# Altium PCB SkayboardOld.PcbDoc (part 1 of 2)
Units mil, origin at the board's own origin, x right, y up, seen from the top; angles counter-clockwise.
Board outline 13972.57 x 4222.54 mil, 2 copper layers (Top Layer, Bottom Layer); 143 components, 152 nets, 1126 pads, 207 vias.
Unrouted connection lines stored in the file: 1.
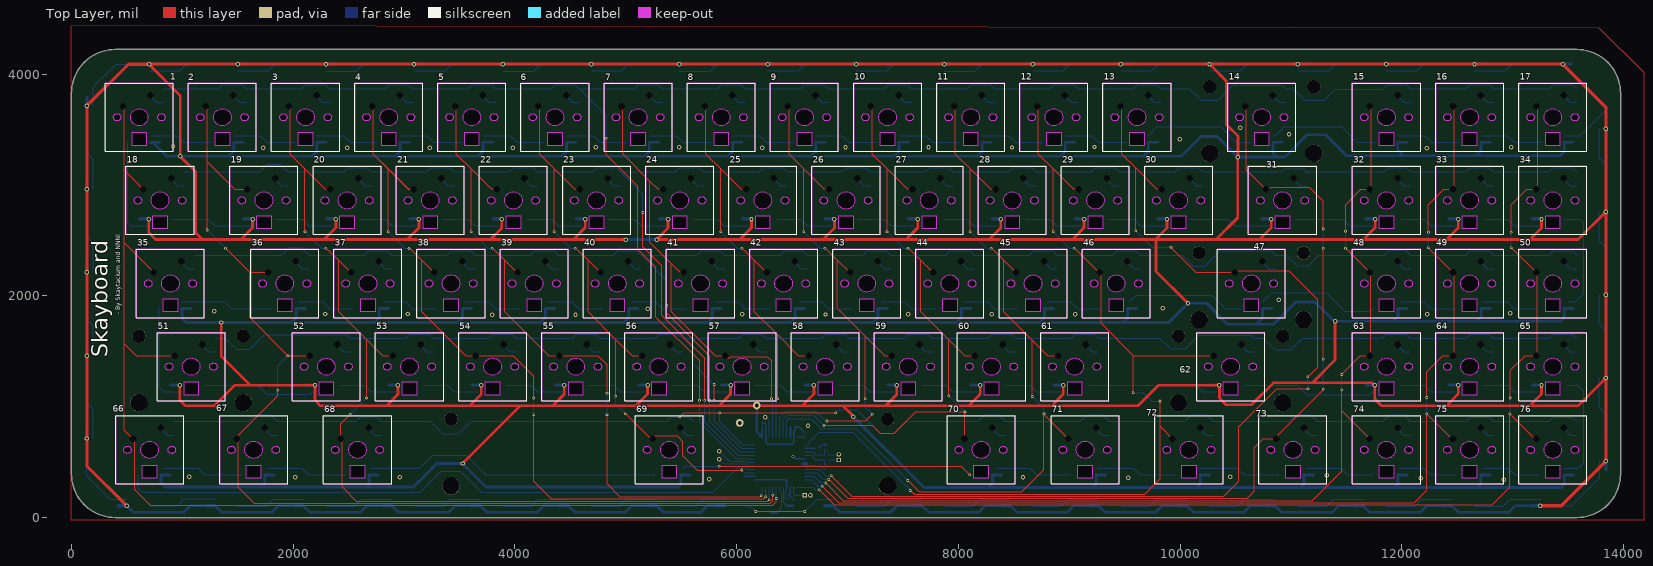
[diagram p0: Top Layer view]
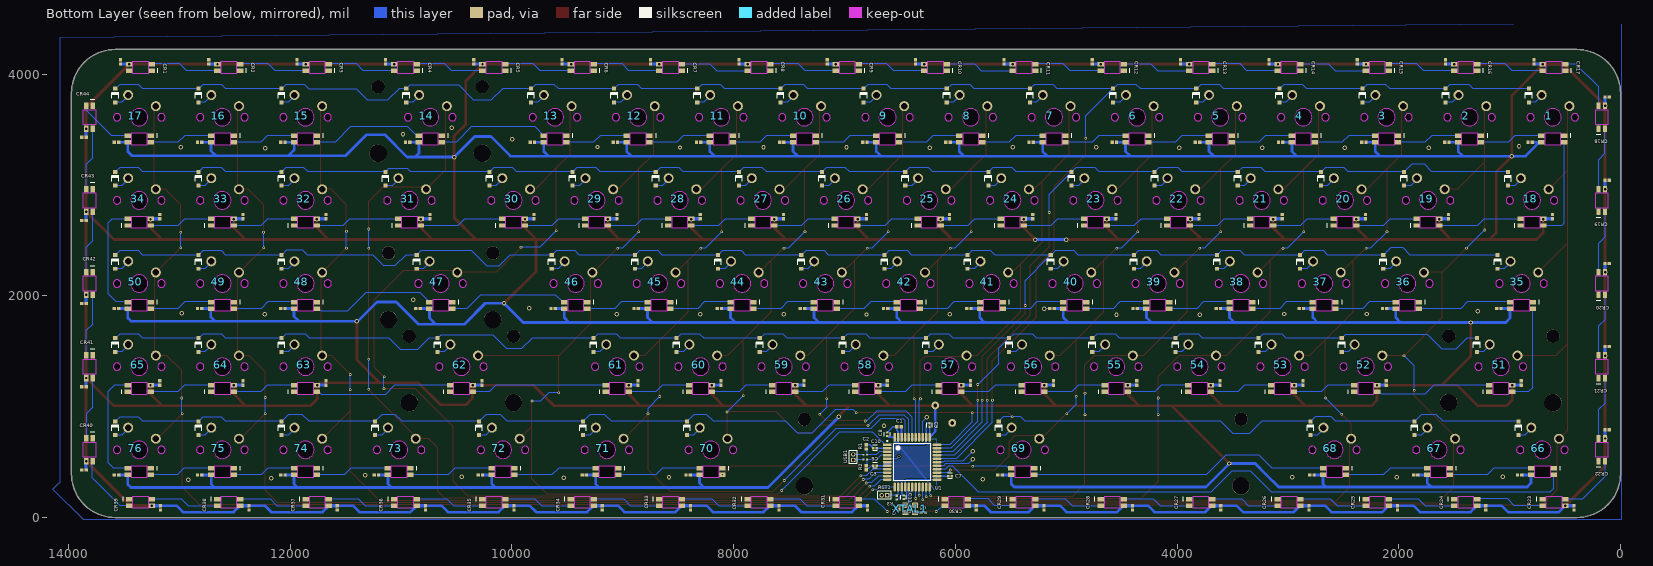
[diagram p1: Bottom Layer view, seen from below]
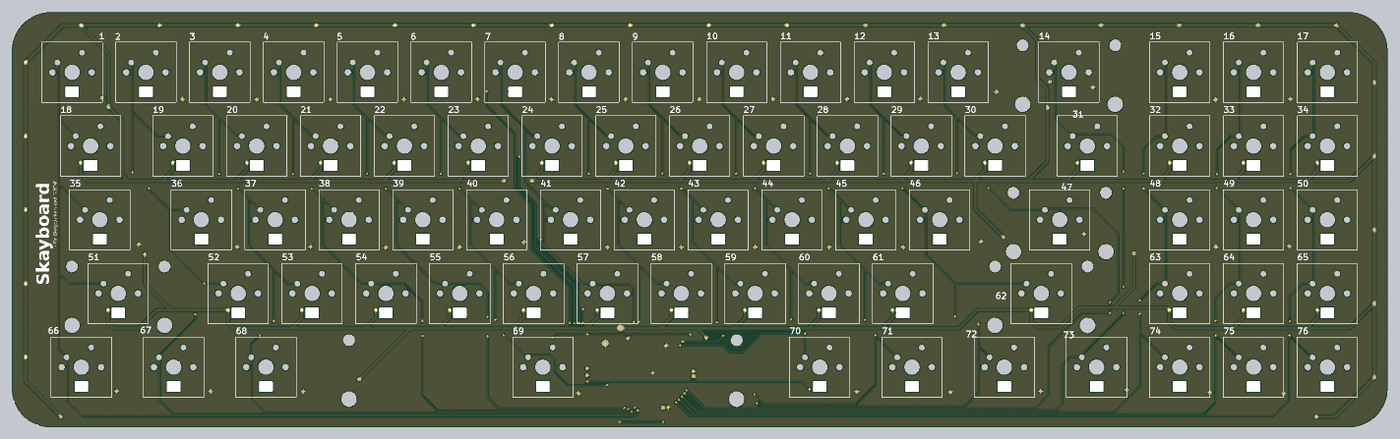
[diagram p3: 3D render of the assembled board from above, using the file's embedded part models]
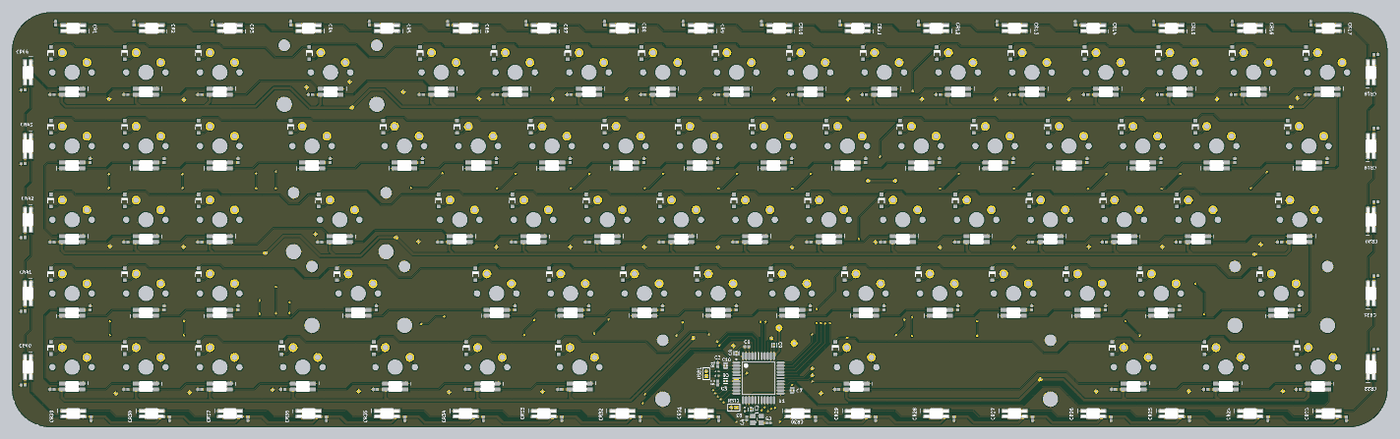
[diagram p4: 3D render of the assembled board from below, using the file's embedded part models]

## Layer stack, top to bottom
Top Solder: solder mask 0.4, Solder Resist, Dk 3.5
Top Layer: signal copper 1.4
Dielectric 1: dielectric 12.6, FR-4, Dk 4.8
Bottom Layer: signal copper 1.4
Bottom Solder: solder mask 0.4, Solder Resist, Dk 3.5

## Board outline
58.09,188.06 42.95,215.02 30.04,243.12 19.35,272.1 10.94,301.83 4.92,332.15 1.29,362.86 0.04,393.78 0.09,3828.78 1.29,3859.71 4.92,3890.42 10.94,3920.74 19.35,3950.47 30.04,3979.52 42.95,4007.55 58.09,4034.52 75.23,4060.23 94.38,4084.52 115.38,4107.2 138.06,4128.22 162.37,4147.36 188.08,4164.52 215.04,4179.64 243.09,4192.55 272.12,4203.26 301.85,4211.65 332.18,4217.67 362.89,4221.33 393.81,4222.55 13578.87,4222.51 13609.73,4221.33 13640.44,4217.67 13670.75,4211.65 13700.52,4203.26 13729.5,4192.55 13757.57,4179.64 13784.53,4164.52 13810.24,4147.36 13834.5,4128.22 13857.25,4107.2 13878.24,4084.52 13897.33,4060.23 13914.53,4034.52 13929.69,4007.55 13942.61,3979.52 13953.31,3950.47 13961.62,3920.74 13967.76,3890.42 13971.35,3859.71 13972.61,3828.78 13972.61,393.78 13971.35,362.86 13967.76,332.15 13961.62,301.83 13953.31,272.1 13942.61,243.12 13929.69,215.02 13914.53,188.06 13897.33,162.34 13878.24,138.09 13857.25,115.36 13834.5,94.36 13810.24,75.21 13784.53,58.06 13757.57,42.93 13729.5,30.02 13700.52,19.33 13670.75,10.92 13640.44,4.9 13609.73,1.26 13578.87,0.01 393.81,0.07 362.89,1.26 332.18,4.9 301.85,10.92 272.12,19.33 243.09,30.02 215.04,42.93 188.08,58.06 162.37,75.21 138.06,94.36 115.38,115.36 94.38,138.09 75.23,162.34

## Design rules (kind name [scope] priority, off if disabled: settings)
BoardOutlineClearance [All] p1: gap=10 ignorepadtopadclearanceinfootprint=FALSE except(-1: Arc-OutlineEdge; 0: Arc-SplitContinuation Track-SplitContinuation SMDPad-SplitContinuation THPad-SplitContinuation Via-SplitContinuation Fill-SplitContinuation Poly-SplitContinuation Region-SplitContinuation Text-SplitContinuation)
Clearance [All] p1: gap=10 ignorepadtopadclearanceinfootprint=FALSE except(0: Arc-Hole Track-Hole SMDPad-Hole THPad-Hole Via-Hole Fill-Hole Poly-Hole Region-Hole Text-Hole)
HoleSize [All] p1: absolutevalues=TRUE maxlimit=600 minlimit=5 maxpercent=80.000 minpercent=20.000
PolygonConnect [All] p1: connectstyle=Relief reliefconductorwidth=10 reliefentries=4 polygonreliefangle="90 Angle" airgapwidth=10
RoutingVias [All] p1: holewidth=12 width=24 viastyle="Through Hole" minholewidth=12 minwidth=24 maxholewidth=28 maxwidth=50
SolderMaskExpansion [All] p1: expansion=4 istentingtop=FALSE
UnRoutedNet [All] p1: checkbadconnections=TRUE
Width [All] p1: maxlimit=100 minlimit=5 preferedwidth=7.5 minimp=50.000000 maximp=50.000000 favimp=50.000000
28 further rules are at their usual default settings.

## Components (designator, comment, footprint, x,y, rotation, side; value= is the part's Value field where it differs from the comment)
1 "Skey LED Mirrored" "MX RGB LM"#1 611.29,3611.31 r0 top
2 "Skey LED Mirrored" "MX RGB LM"#2 1361.31,3611.29 r0 top
3 "Skey LED Mirrored" "MX RGB LM"#1 2111.31,3611.29 r0 top
4 "Skey LED Mirrored" "MX RGB LM"#2 2861.31,3611.29 r0 top locked
5 "Skey LED Mirrored" "MX RGB LM"#1 3611.31,3611.29 r0 top
6 "Skey LED Mirrored" "MX RGB LM"#2 4361.25,3611.29 r0 top
7 "Skey LED Mirrored" "MX RGB LM"#1 5111.29,3611.32 r0 top
8 "Skey LED Mirrored" "MX RGB LM"#2 5861.33,3611.29 r0 top
9 "Skey LED Mirrored" "MX RGB LM"#1 6611.33,3611.29 r0 top
10 "Skey LED Mirrored" "MX RGB LM"#2 7361.33,3611.29 r0 top
11 "Skey LED Mirrored" "MX RGB LM"#2 8111.33,3611.29 r0 top
12 "Skey LED Mirrored" "MX RGB LM"#2 8861.33,3611.29 r0 top
13 "Skey LED Mirrored" "MX RGB LM"#1 9611.33,3611.29 r0 top
14 "Skey LED Mirrored" "MX RGB LM"#1 10736.33,3611.29 r0 top
15 "Skey LED Mirrored" "MX RGB LM"#1 11861.33,3611.29 r0 top
16 "Skey LED Mirrored" "MX RGB LM"#1 12611.3,3611.31 r0 top
17 "Skey LED Mirrored" "MX RGB LM"#2 13361.33,3611.29 r0 top
18 "Skey" "MX RGB"#1 798.78,2861.26 r0 top
19 "Skey" "MX RGB"#2 1736.31,2861.29 r0 top
20 "Skey" "MX RGB"#1 2486.31,2861.29 r0 top
21 "Skey" "MX RGB"#2 3236.31,2861.29 r0 top
22 "Skey" "MX RGB"#2 3986.32,2861.29 r0 top
23 "Skey" "MX RGB"#2 4736.33,2861.29 r0 top
24 "Skey" "MX RGB"#2 5486.33,2861.29 r0 top
25 "Skey" "MX RGB"#2 6236.33,2861.29 r0 top
26 "Skey" "MX RGB"#2 6986.33,2861.29 r0 top
27 "Skey" "MX RGB"#2 7736.33,2861.29 r0 top
28 "Skey" "MX RGB"#2 8486.33,2861.29 r0 top
29 "Skey" "MX RGB"#2 9236.33,2861.29 r0 top
30 "Skey" "MX RGB"#2 9986.33,2861.29 r0 top
31 "Skey" "MX RGB"#1 10923.79,2861.27 r0 top
32 "Skey" "MX RGB"#1 11861.33,2861.29 r0 top
33 "Skey" "MX RGB"#2 12611.33,2861.29 r0 top
34 "Skey" "MX RGB"#1 13361.33,2861.28 r0 top
35 "Skey LED Mirrored" "MX RGB LM"#1 892.53,2111.25 r0 top
36 "Skey LED Mirrored" "MX RGB LM"#2 1923.79,2111.26 r0 top
37 "Skey LED Mirrored" "MX RGB LM"#1 2673.79,2111.26 r0 top
38 "Skey LED Mirrored" "MX RGB LM"#2 3423.79,2111.26 r0 top
39 "Skey LED Mirrored" "MX RGB LM"#1 4173.79,2111.26 r0 top
40 "Skey LED Mirrored" "MX RGB LM"#1 4923.79,2111.27 r0 top
41 "Skey LED Mirrored" "MX RGB LM"#2 5673.79,2111.27 r0 top
42 "Skey LED Mirrored" "MX RGB LM"#2 6423.79,2111.27 r0 top
43 "Skey LED Mirrored" "MX RGB LM"#1 7173.79,2111.27 r0 top
44 "Skey LED Mirrored" "MX RGB LM"#2 7923.79,2111.27 r0 top
45 "Skey LED Mirrored" "MX RGB LM"#1 8673.79,2111.27 r0 top
46 "Skey LED Mirrored" "MX RGB LM"#2 9423.79,2111.27 r0 top
47 "Skey LED Mirrored" "MX RGB LM"#1 10642.53,2111.27 r0 top
48 "Skey LED Mirrored" "MX RGB LM"#2 11861.33,2111.29 r0 top
49 "Skey LED Mirrored" "MX RGB LM"#2 12611.33,2111.29 r0 top
50 "Skey LED Mirrored" "MX RGB LM"#2 13361.33,2111.28 r0 top
51 "Skey" "MX RGB"#2 1080.03,1361.26 r0 top
52 "Skey" "MX RGB"#1 2298.79,1361.26 r0 top
53 "Skey" "MX RGB"#2 3048.79,1361.26 r0 top
54 "Skey" "MX RGB"#1 3798.79,1361.27 r0 top
55 "Skey" "MX RGB"#2 4548.79,1361.27 r0 top
56 "Skey" "MX RGB"#1 5298.79,1361.27 r0 top
57 "Skey" "MX RGB"#2 6048.79,1361.27 r0 top
58 "Skey" "MX RGB"#1 6798.79,1361.27 r0 top
59 "Skey" "MX RGB"#2 7548.79,1361.27 r0 top
60 "Skey" "MX RGB"#1 8298.79,1361.27 r0 top
61 "Skey" "MX RGB"#2 9048.79,1361.27 r0 top
62 "Skey" "MX RGB"#1 10455.05,1361.27 r0 top
63 "Skey" "MX RGB"#2 11861.33,1361.29 r0 top
64 "Skey" "MX RGB"#2 12611.33,1361.29 r0 top
65 "Skey" "MX RGB"#1 13361.33,1361.29 r0 top
66 "Skey LED Mirrored" "MX RGB LM"#1 705.03,611.26 r0 top
67 "Skey LED Mirrored" "MX RGB LM"#1 1642.54,611.26 r0 top
68 "Skey LED Mirrored" "MX RGB LM"#1 2580.04,611.26 r0 top
69 "Skey LED Mirrored" "MX RGB LM"#1 5392.53,611.27 r0 top
70 "Skey LED Mirrored" "MX RGB LM"#1 8205.05,611.27 r0 top
71 "Skey LED Mirrored" "MX RGB LM"#1 9142.53,611.27 r0 top
72 "Skey LED Mirrored" "MX RGB LM"#1 10080.05,611.27 r0 top
73 "Skey LED Mirrored" "MX RGB LM"#1 11017.53,611.27 r0 top
74 "Skey LED Mirrored" "MX RGB LM"#2 11861.33,611.29 r0 top
75 "Skey LED Mirrored" "MX RGB LM"#1 12611.33,611.29 r0 top
76 "Skey LED Mirrored" "MX RGB LM"#1 13361.33,611.29 r0 top
C1 "100nF" CAPC1050X55X23ML05T13 6507.87,818.9 r180 bottom
C2 "47pF" CAPC1005X55X30ML05T10 6803.15,637.8 r90 bottom
C3 "47pF" CAPC1005X55X30ML05T10 6803.15,449.61 r90 bottom
C4 "22pF" CAPC1005X56X25NL10T15 6509.25,88.88 r90 bottom (schematic designator C5)
C5 "22pF" CAPC1005X56X25NL10T15 6287.4,43.31 r0 bottom (schematic designator C6)
C6 "100nF" FP-C0402-BB-MFG 6724.41,468.5 r0 bottom value="0.10 μF"
C7 "100nF" FP-C0402-BB-MFG 6047.24,374.02 r180 bottom value="0.10 μF"
C8 "100nF" FP-C0402-BB-MFG 6614.17,751.97 r90 bottom value="0.10 μF"
C9 "100nF" FP-C0402-BB-MFG 6232.28,834.65 r90 bottom value="0.10 μF"
C10 "100nF" FP-C0402-BB-MFG 6724.41,625.98 r0 bottom value="0.10 μF"
C11 "100nF" FP-C0402-BB-MFG 6465.89,183.31 r270 bottom value="0.10 μF"
CR1 "SK6812 Mini-E" "SK6812 MINI-E" 13350,4060 r180 bottom
CR2 "SK6812 Mini-E" "SK6812 MINI-E" 12553.12,4060 r180 bottom
CR3 "SK6812 Mini-E" "SK6812 MINI-E" 11756.25,4060 r180 bottom
CR4 "SK6812 Mini-E" "SK6812 MINI-E" 10959.38,4060 r180 bottom
CR5 "SK6812 Mini-E" "SK6812 MINI-E" 10162.5,4060 r180 bottom
CR6 "SK6812 Mini-E" "SK6812 MINI-E" 9365.62,4060 r180 bottom
CR7 "SK6812 Mini-E" "SK6812 MINI-E" 8568.75,4060 r180 bottom
CR8 "SK6812 Mini-E" "SK6812 MINI-E" 7771.88,4060 r180 bottom
CR9 "SK6812 Mini-E" "SK6812 MINI-E" 6975,4060 r180 bottom
CR10 "SK6812 Mini-E" "SK6812 MINI-E" 6178.12,4060 r180 bottom
CR11 "SK6812 Mini-E" "SK6812 MINI-E" 5381.25,4060 r180 bottom
CR12 "SK6812 Mini-E" "SK6812 MINI-E" 4584.38,4060 r180 bottom
CR13 "SK6812 Mini-E" "SK6812 MINI-E" 3787.5,4060 r180 bottom
CR14 "SK6812 Mini-E" "SK6812 MINI-E" 2990.62,4060 r180 bottom
CR15 "SK6812 Mini-E" "SK6812 MINI-E" 2193.75,4060 r180 bottom
CR16 "SK6812 Mini-E" "SK6812 MINI-E" 1396.88,4060 r180 bottom
CR17 "SK6812 Mini-E" "SK6812 MINI-E" 600,4060 r180 bottom
CR18 "SK6812 Mini-E" "SK6812 MINI-E" 170,3611.31 r270 bottom
CR19 "SK6812 Mini-E" "SK6812 MINI-E" 170,2861.26 r270 bottom
CR20 "SK6812 Mini-E" "SK6812 MINI-E" 170,2111.25 r270 bottom
CR21 "SK6812 Mini-E" "SK6812 MINI-E" 170,1361.26 r270 bottom
CR22 "SK6812 Mini-E" "SK6812 MINI-E" 170,611.26 r270 bottom
CR23 "SK6812 Mini-E" "SK6812 MINI-E" 600,138 r0 bottom
CR24 "SK6812 Mini-E" "SK6812 MINI-E" 1396.88,138 r0 bottom
CR25 "SK6812 Mini-E" "SK6812 MINI-E" 2193.75,138 r0 bottom
CR26 "SK6812 Mini-E" "SK6812 MINI-E" 2990.62,138 r0 bottom
CR27 "SK6812 Mini-E" "SK6812 MINI-E" 3787.5,138 r0 bottom
CR28 "SK6812 Mini-E" "SK6812 MINI-E" 4584.38,138 r0 bottom
CR29 "SK6812 Mini-E" "SK6812 MINI-E" 5381.25,138 r0 bottom
CR30 "SK6812 Mini-E" "SK6812 MINI-E" 5992.12,138 r0 bottom
CR31 "SK6812 Mini-E" "SK6812 MINI-E" 6975,138 r0 bottom
CR32 "SK6812 Mini-E" "SK6812 MINI-E" 7771.88,138 r0 bottom
CR33 "SK6812 Mini-E" "SK6812 MINI-E" 8568.75,138 r0 bottom
CR34 "SK6812 Mini-E" "SK6812 MINI-E" 9365.62,138 r0 bottom
CR35 "SK6812 Mini-E" "SK6812 MINI-E" 10162.5,138 r0 bottom
CR36 "SK6812 Mini-E" "SK6812 MINI-E" 10959.38,138 r0 bottom
CR37 "SK6812 Mini-E" "SK6812 MINI-E" 11756.25,138 r0 bottom
CR38 "SK6812 Mini-E" "SK6812 MINI-E" 12553.12,138 r0 bottom
CR39 "SK6812 Mini-E" "SK6812 MINI-E" 13350,138 r0 bottom
CR40 "SK6812 Mini-E" "SK6812 MINI-E" 13810,611.29 r90 bottom
CR41 "SK6812 Mini-E" "SK6812 MINI-E" 13810,1361.29 r90 bottom
CR42 "SK6812 Mini-E" "SK6812 MINI-E" 13810,2111.28 r90 bottom
CR43 "SK6812 Mini-E" "SK6812 MINI-E" 13810,2861.28 r90 bottom
CR44 "SK6812 Mini-E" "SK6812 MINI-E" 13810,3611.28 r90 bottom
R1 "22R" RESC1005X40X25LL05T05 6811.02,566.93 r0 bottom
R2 "22R" RESC1005X40X25LL05T05 6811.02,523.62 r0 bottom
R3 "10K" RESC1005X40X25NL05T05 6527.56,181.1 r90 bottom
RST1 "MHDR1X2" MHDR1X2 6615.35,200.79 r0 bottom
U1 "ATmega32U4-AU" 44ML_M 6389.76,500 r180 bottom locked
USB1 "MHDR1X2" MHDR1X2 6921.26,519.68 r90 bottom
XTAL1 "" 16Mhz 6405.51,78.74 r180 bottom
? "Comment" 2USTAB 10736.33,3611.29 r0 top
? "Comment" 2USTAB 10642.53,2111.27 r0 top
? "Comment" 2USTAB 10455.05,1361.27 r0 top
? "Comment" 6.25USTAB 5392.53,611.27 r0 top locked
? "Comment" 2USTAB 1080.03,1361.26 r0 top

## Footprints (in the part's own frame and the unit in brackets; to place one, negate y for a bottom-side part, rotate by r counter-clockwise, add the part's x,y. Pads: shape width x height; smd on the part's side, far side on the other; paste and mask are expansions set on the pad)
2USTAB [mil]
  round 157 hole 157: ""(-470,-325) ""(470,-325)
  round 120 hole 120: ""(-470,275) ""(470,275)
6.25USTAB [mil]
  round 157 hole 157: ""(-1968.75,-325) ""(1968.75,-325)
  round 120 hole 120: ""(-1968.75,275) ""(1968.75,275)
16Mhz [mm]
  rect 1.4x1.2 smd: 1(-1.1,-0.85) 2(1.1,-0.85) 3(1.1,0.85) 4(-1.1,0.85)
  silkscreen extent -0.2,-0.85 0.2,0.85
44ML_M [mm] "Thin QFP, 44-Leads, Body 10x10mm, Pitch 0.8mm, IPC Low Density"
  oval 2.05x0.6 smd: 1(-5.7,4) 2(-5.7,3.2) 3(-5.7,2.4) 4(-5.7,1.6) 5(-5.7,0.8) 6(-5.7,0) 7(-5.7,-0.8) 8(-5.7,-1.6) 9(-5.7,-2.4) 10(-5.7,-3.2) 11(-5.7,-4) 23(5.7,-4) 24(5.7,-3.2) 25(5.7,-2.4) 26(5.7,-1.6) 27(5.7,-0.8) 28(5.7,0) 29(5.7,0.8) 30(5.7,1.6) 31(5.7,2.4) 32(5.7,3.2) 33(5.7,4)
  oval 0.6x2.05 smd: 12(-4,-5.7) 13(-3.2,-5.7) 14(-2.4,-5.7) 15(-1.6,-5.7) 16(-0.8,-5.7) 17(0,-5.7) 18(0.8,-5.7) 19(1.6,-5.7) 20(2.4,-5.7) 21(3.2,-5.7) 22(4,-5.7) 34(4,5.7) 35(3.2,5.7) 36(2.4,5.7) 37(1.6,5.7) 38(0.8,5.7) 39(0,5.7) 40(-0.8,5.7) 41(-1.6,5.7) 42(-2.4,5.7) 43(-3.2,5.7) 44(-4,5.7)
  silkscreen extent -5.82,-4.25 4.25,4.97, body extent -5,-5 5,5, height 1.2
CAPC1005X55X30ML05T10 [mm] "Chip Capacitor, 2-Leads, Body 1.00x0.50mm, IPC Low Density"
  rect 0.76x0.72 smd: 1(-0.48,0) 2(0.48,0)
  body extent -0.53,-0.28 0.53,0.27, height 0.55
CAPC1005X56X25NL10T15 [mm] "Chip Capacitor, 2-Leads, Body 1.00x0.50mm, IPC Medium Density"
  rect 0.68x0.64 smd: 1(-0.44,0) 2(0.44,0)
  body extent -0.55,-0.3 0.55,0.3, height 0.56
CAPC1050X55X23ML05T13 [mm] "Chip Capacitor, 2-Leads, Body 1.05x0.55mm, IPC Low Density"
  rect 0.76x0.72 smd: 1(-0.49,0) 2(0.49,0)
  body extent -0.53,-0.28 0.53,0.27, height 0.55
FP-C0402-BB-MFG [mm]
  rect 0.52x0.52 smd paste+0 mask+0: 1(-0.4,0) 2(0.4,0)
  silkscreen extent -0.5,-0.64 0.5,0.64, body extent -0.5,-0.25 0.5,0.25, height 0.55
MHDR1X2 [mm] "Connector; Header; 2 Position"
  rect 1x1 hole 0.6: 1(0,0)
  round 1 hole 0.6: 2(1.27,0)
  silkscreen extent -0.9,-0.9 2.17,0.9
"MX RGB"#1 [mm] "Skey's footprint"
  rect 1.5x1 smd far side: 1(-2.6,-4.25) 2(-2.6,-5.75) 3(2.6,-5.75) 4(2.6,-4.25)
  rect 0.72x0.76 smd far side: 3(-4.699,-3.248) ""(-4.699,-4.228)
  round 0 / inner round 2.286 / far side round 2.286 hole 1.499: 5(-3.81,2.54) ""(2.54,5.08)
  rect 0.95x0.9 smd far side: 6(5.488,6.534) ""(5.488,3.384)
  Top Layer keep-out region: -7.8,-7.8 7.8,-7.8 7.8,7.8 -7.8,7.8
  Bottom Layer lines w0.127: 2.529,4.846 3.991,3.384 5.507,3.384
  Bottom Layer lines w0.254: 2.521,4.829 2.521,5.132 ; 2.529,4.846 2.529,5.12
  Bottom Layer lines w0.737: -4.659,-4.227 -2.6,-4.227
  Keep-Out Layer board cut-out: 0,1.994 0.763,1.842 1.41,1.41 1.842,0.763 1.994,0 1.994,0 1.842,-0.763 1.41,-1.41 0.763,-1.842 0,-1.994 0,-1.994 -0.763,-1.842 -1.41,-1.41 -1.842,-0.763 -1.994,0 -1.994,0 -1.842,0.763 -1.41,1.41 -0.763,1.842 0,1.994
  Keep-Out Layer board cut-out: 5.08,0.851 5.406,0.786 5.682,0.602 5.866,0.326 5.931,0 5.931,0 5.866,-0.326 5.682,-0.602 5.406,-0.786 5.08,-0.851 5.08,-0.851 4.754,-0.786 4.478,-0.602 4.294,-0.326 4.229,0 4.229,0 4.294,0.326 4.478,0.602 4.754,0.786 5.08,0.851
  Keep-Out Layer board cut-out: -5.08,0.851 -4.754,0.786 -4.478,0.602 -4.294,0.326 -4.229,0 -4.229,0 -4.294,-0.326 -4.478,-0.602 -4.754,-0.786 -5.08,-0.851 -5.08,-0.851 -5.406,-0.786 -5.682,-0.602 -5.866,-0.326 -5.931,0 -5.931,0 -5.866,0.326 -5.682,0.602 -5.406,0.786 -5.08,0.851
  Keep-Out Layer board cut-out: -1.75,-3.6 -1.75,-6.4 1.75,-6.4 1.75,-3.6
  silkscreen extent -7.8,-7.8 7.8,7.8, body extent -5.06,-6.4 5.96,6.98, height 0.5
"MX RGB"#2 [mm] "Skey's footprint"
  rect 1.5x1 smd far side: 1(-2.6,-4.25) 2(-2.6,-5.75) 3(2.6,-5.75) 4(2.6,-4.25)
  rect 0.72x0.76 smd far side: 3(-4.699,-3.248) ""(-4.699,-4.228)
  round 0 / inner round 2.286 / far side round 2.286 hole 1.499: 5(-3.81,2.54) ""(2.54,5.08)
  rect 0.95x0.9 smd far side: 6(5.488,6.534) ""(5.488,3.384)
  Top Layer keep-out region: -7.8,-7.8 7.8,-7.8 7.8,7.8 -7.8,7.8
  Bottom Layer lines w0.127: 2.529,4.846 3.991,3.384 5.507,3.384
  Bottom Layer lines w0.254: 2.521,4.829 2.521,5.132 ; 2.529,4.846 2.529,5.12
  Bottom Layer lines w0.737: -4.659,-4.227 -2.602,-4.227 -2.6,-4.227
  Keep-Out Layer board cut-out: 0,1.994 0.763,1.842 1.41,1.41 1.842,0.763 1.994,0 1.994,0 1.842,-0.763 1.41,-1.41 0.763,-1.842 0,-1.994 0,-1.994 -0.763,-1.842 -1.41,-1.41 -1.842,-0.763 -1.994,0 -1.994,0 -1.842,0.763 -1.41,1.41 -0.763,1.842 0,1.994
  Keep-Out Layer board cut-out: 5.08,0.851 5.406,0.786 5.682,0.602 5.866,0.326 5.931,0 5.931,0 5.866,-0.326 5.682,-0.602 5.406,-0.786 5.08,-0.851 5.08,-0.851 4.754,-0.786 4.478,-0.602 4.294,-0.326 4.229,0 4.229,0 4.294,0.326 4.478,0.602 4.754,0.786 5.08,0.851
  Keep-Out Layer board cut-out: -5.08,0.851 -4.754,0.786 -4.478,0.602 -4.294,0.326 -4.229,0 -4.229,0 -4.294,-0.326 -4.478,-0.602 -4.754,-0.786 -5.08,-0.851 -5.08,-0.851 -5.406,-0.786 -5.682,-0.602 -5.866,-0.326 -5.931,0 -5.931,0 -5.866,0.326 -5.682,0.602 -5.406,0.786 -5.08,0.851
  Keep-Out Layer board cut-out: -1.75,-3.6 -1.75,-6.4 1.75,-6.4 1.75,-3.6
  silkscreen extent -7.8,-7.8 7.8,7.8, body extent -5.06,-6.4 5.96,6.98, height 0.5
"MX RGB LM"#1 [mm] "Skey's footprint"
  rect 1.5x1 smd far side: 1(-2.6,-4.25) 2(-2.6,-5.75) 3(2.6,-5.75) 4(2.6,-4.25)
  rect 0.76x0.72 smd far side: 1(5.688,-5.75) ""(4.708,-5.75)
  round 0 / inner round 2.286 / far side round 2.286 hole 1.499: 5(-3.81,2.54) ""(2.54,5.08)
  rect 0.95x0.9 smd far side: 6(5.488,6.534) ""(5.488,3.384)
  Top Layer keep-out region: -7.8,-7.8 7.8,-7.8 7.8,7.8 -7.8,7.8
  Bottom Layer lines w0.127: 2.529,4.846 3.991,3.384 5.507,3.384
  Bottom Layer lines w0.254: 2.521,4.829 2.521,5.132 ; 2.529,4.846 2.529,5.12
  Bottom Layer lines w0.65: 2.6,-5.75 4.708,-5.75
  Keep-Out Layer board cut-out: -5.08,0.851 -4.754,0.786 -4.478,0.602 -4.294,0.326 -4.229,0 -4.229,0 -4.294,-0.326 -4.478,-0.602 -4.754,-0.786 -5.08,-0.851 -5.08,-0.851 -5.406,-0.786 -5.682,-0.602 -5.866,-0.326 -5.931,0 -5.931,0 -5.866,0.326 -5.682,0.602 -5.406,0.786 -5.08,0.851
  Keep-Out Layer board cut-out: 5.08,0.851 5.406,0.786 5.682,0.602 5.866,0.326 5.931,0 5.931,0 5.866,-0.326 5.682,-0.602 5.406,-0.786 5.08,-0.851 5.08,-0.851 4.754,-0.786 4.478,-0.602 4.294,-0.326 4.229,0 4.229,0 4.294,0.326 4.478,0.602 4.754,0.786 5.08,0.851
  Keep-Out Layer board cut-out: 0,1.994 0.763,1.842 1.41,1.41 1.842,0.763 1.994,0 1.994,0 1.842,-0.763 1.41,-1.41 0.763,-1.842 0,-1.994 0,-1.994 -0.763,-1.842 -1.41,-1.41 -1.842,-0.763 -1.994,0 -1.994,0 -1.842,0.763 -1.41,1.41 -0.763,1.842 0,1.994
  Keep-Out Layer board cut-out: -1.75,-3.6 -1.75,-6.4 1.75,-6.4 1.75,-3.6
  silkscreen extent -7.8,-7.8 7.8,7.8, body extent -3.08,-6.4 6.07,6.98, height 0.5
"MX RGB LM"#2 [mm] "Skey's footprint"
  rect 1.5x1 smd far side: 1(-2.6,-4.25) 2(-2.6,-5.75) 3(2.6,-5.75) 4(2.6,-4.25)
  rect 0.76x0.72 smd far side: 1(5.688,-5.75) ""(4.708,-5.75)